# Altium PCB INC-MBTMC429-01.PcbDoc (part 2 of 2)
Units mil, origin at the board's own origin, x right, y up, seen from the top; angles counter-clockwise.
Board outline 6000 x 4000 mil, 2 copper layers (Top Layer, Bottom Layer); 198 components, 197 nets, 672 pads, 128 vias.
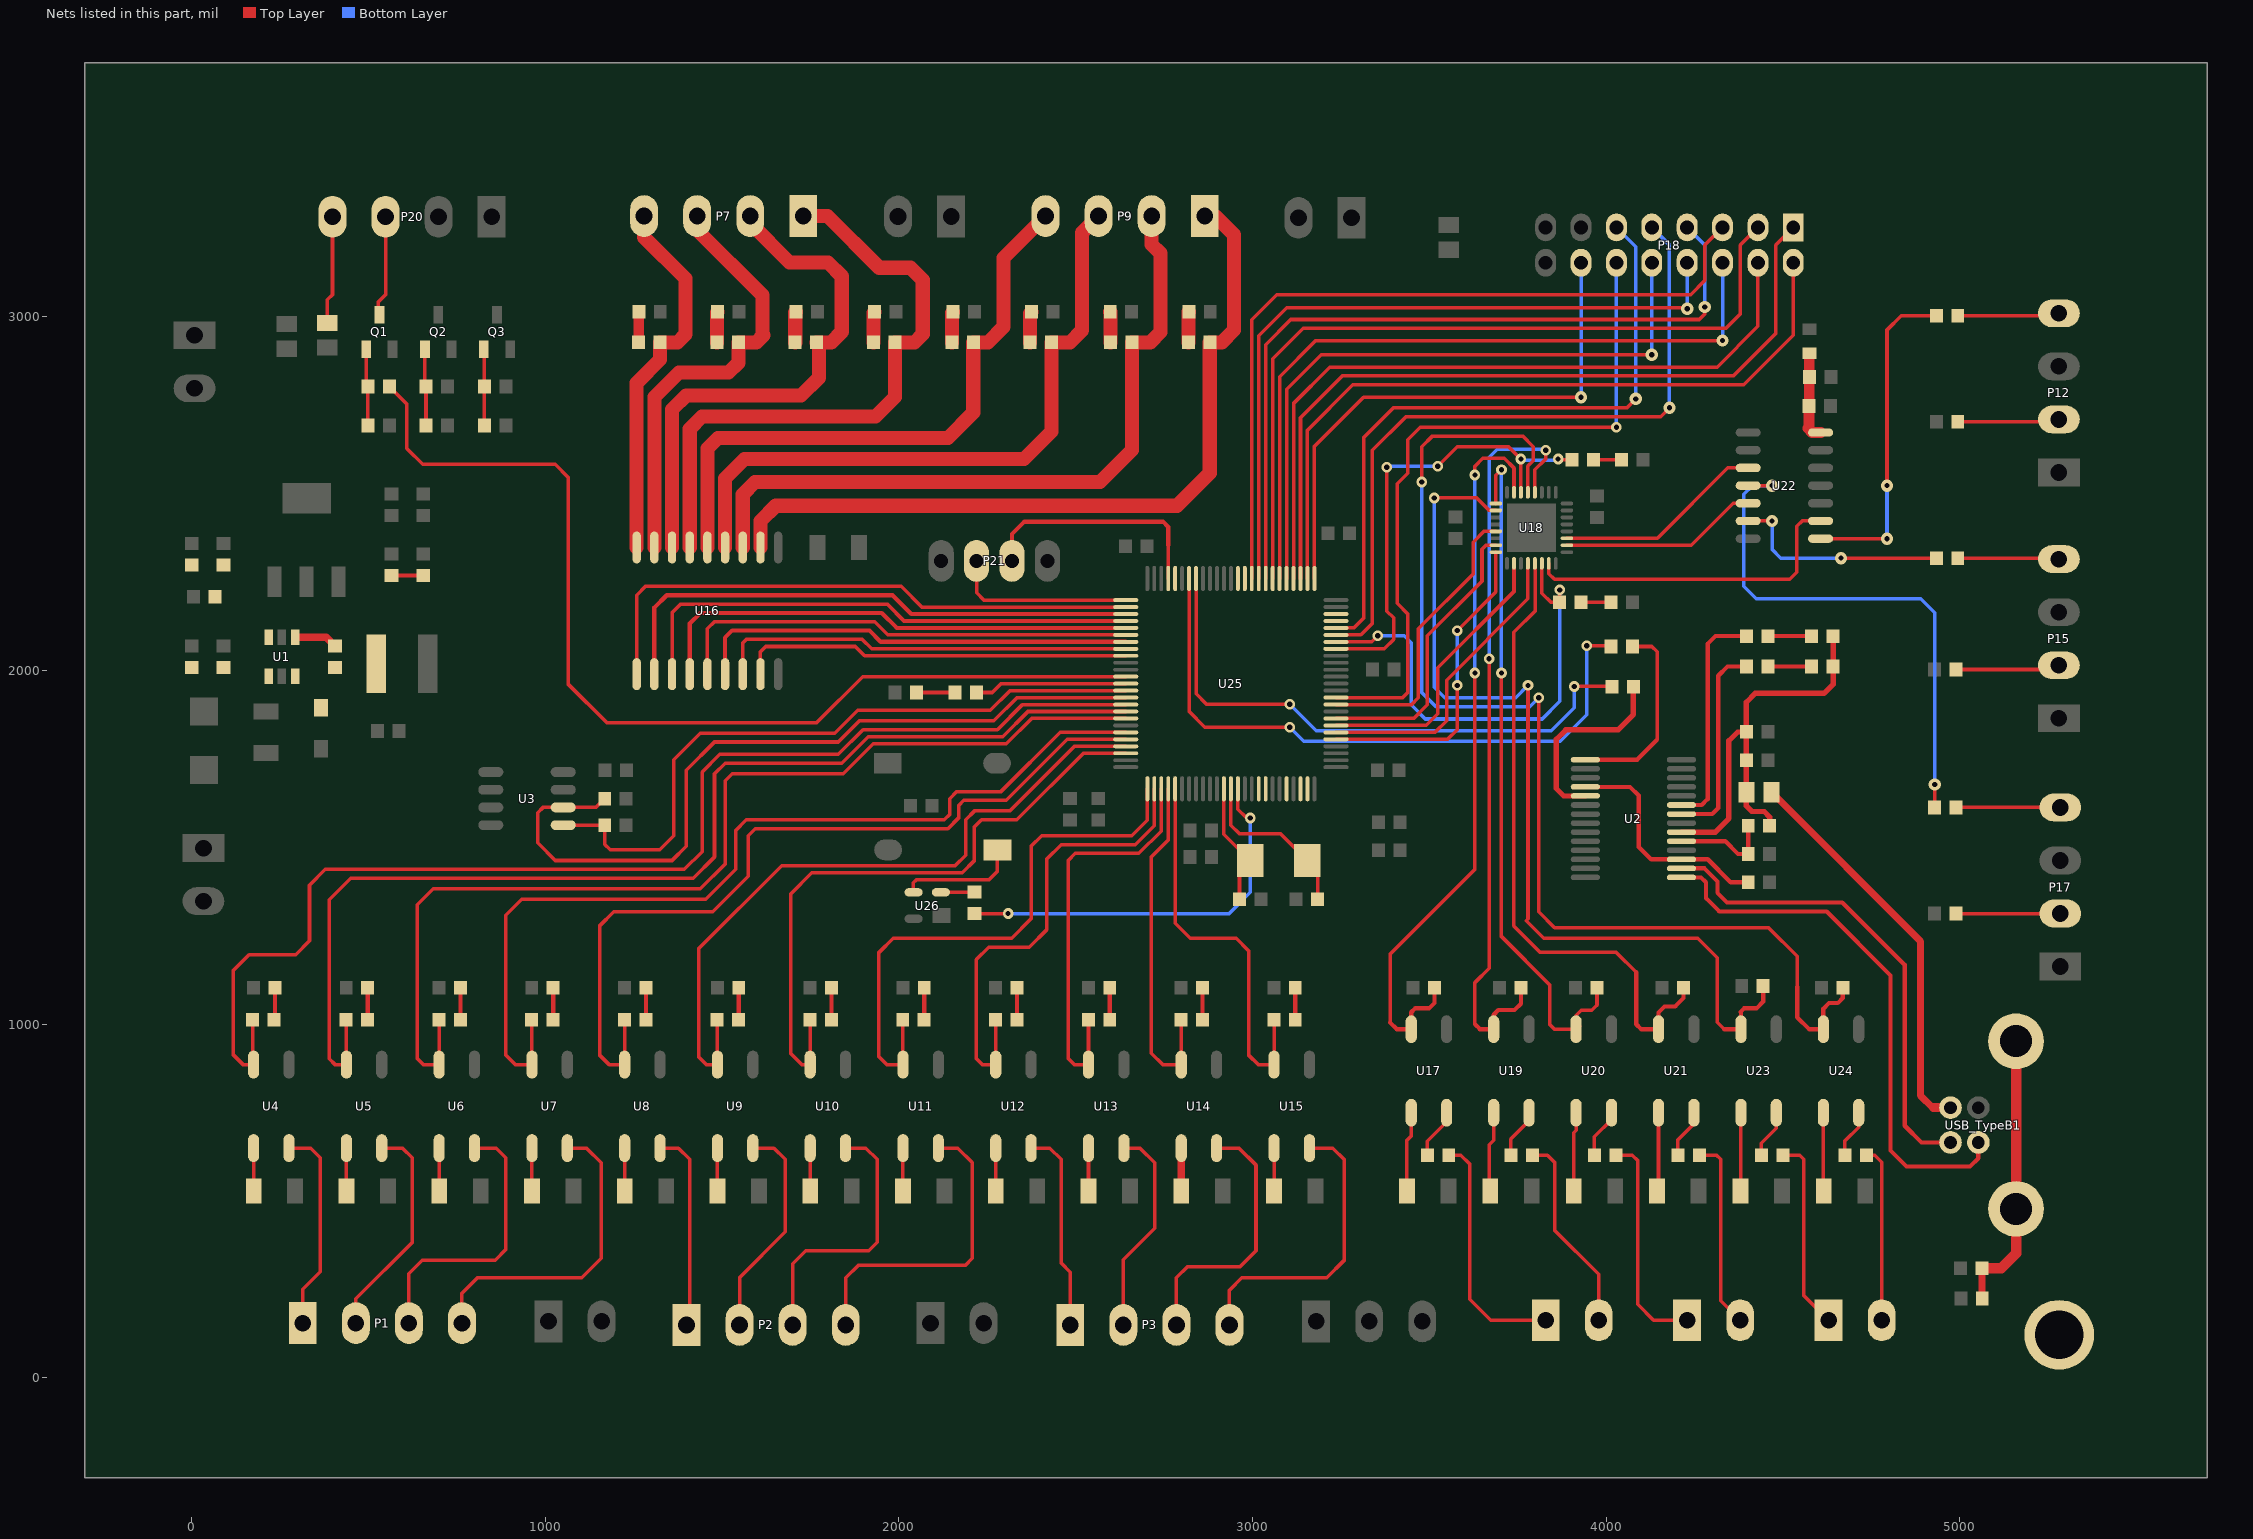
[diagram p2: the nets of this part, all layers, seen from the top]

## Via types
v1: diameter 30, hole 15, Top Layer to Bottom Layer, tented both sides, 91 vias
v2: diameter 35, hole 15, Top Layer to Bottom Layer, tented both sides, 17 vias
v3: diameter 50, hole 28, Top Layer to Bottom Layer, tented both sides, 16 vias
v4: diameter 47.24, hole 28, Top Layer to Bottom Layer, tented both sides, 2 vias
v5: diameter 30, hole 15, Top Layer to Bottom Layer, 1 vias
v6: diameter 50, hole 28, Top Layer to Bottom Layer, 1 vias

## Nets (pads, with @x,y where several pads share a name; then routed paths per layer and width w, separated by ;. In a path a pad name is that pad's centre, name@x,y a point inside that pad or via, vN(x,y) a via of type N, cw(c..) or ccw(c..) an arc to the next point about the centre after c; other vN are vias at no path point) (continued)
IIC_SCL: R12.1 U3.6 U25.90 | length 2291.5
  Top Layer w10: R12.1@1168.69,1638 1143.69,1613 U3.6@1051.36,1613 994,1613 979,1598 979,1513 1029,1463 1359,1463 1399,1503 1399,1718 1479,1798 1829,1798 1889,1858 2269,1858 2334.63,1923.63 U25.90@2641.76,1923.63
IIC_SDA: R13.1 U3.5 U25.89 | length 1963.9
  Top Layer w10: U3.5@1051.36,1563 R13.1@1168.69,1563 1168.69,1508.31 1184,1493 1324,1493 1364,1533 1364,1748 1439,1823 1819,1823 1884,1888 2259,1888 2314.32,1943.32 U25.89@2641.76,1943.32
IN1: D5.K U4.4 U25.91 | length 3493.7
  Top Layer w10: D5.K@173.37,1013 173.37,888.74 U4.4@176,886.11 145.89,886.11 119,913 119,1153 163,1197 295,1197 334,1236 334,1393 379,1438 1394,1438 1444,1488 1444,1713 1494,1763 1829,1763 1899,1833 2279,1833 2349.94,1903.94 U25.91@2641.76,1903.94
IN2: D7.K U5.4 U25.92 | length 3241.9
  Top Layer w10: D7.K@437.64,1013 438.27,1012.37 U5.4@438.27,886.11 405.89,886.11 390,902 390,1352 451,1413 1419,1413 1479,1473 1479,1708 1509,1738 1839,1738 1914,1813 2294,1813 2365.26,1884.26 U25.92@2641.76,1884.26
IN3: D8.K U6.4 U25.93 | length 2989.2
  Top Layer w10: D8.K@699.92,1013 700.55,1012.37 U6.4@700.55,886.11 655.89,886.11 639,903 639,1338 684,1383 1439,1383 1509,1453 1509,1688 1529,1708 1842.72,1708 1927.72,1793 2304,1793 2375.57,1864.57 U25.93@2641.76,1864.57
IN4: D9.K U7.4 U25.95 | length 2664.9
  Top Layer w10: D9.K@962.19,1013 962.82,1012.37 U7.4@962.82,886.11 915.89,886.11 889,913 889,1308 934,1353 1454,1353 1539,1438 1539,1548 1569,1578 2129,1578 2144,1593 2144,1638 2164,1658 2289,1658 2456.2,1825.2 U25.95@2641.76,1825.2
IN5: D10.K U8.4 U25.96 | length 2368.5
  Top Layer w10: D10.K@1224.46,1013 1225.09,1012.37 U8.4@1225.09,886.11 1180.89,886.11 1154,913 1154,1278 1194,1318 1474,1318 1574,1418 1574,1533 1594,1553 2139,1553 2169,1583 2169,1618 2184,1633 2304,1633 2476.52,1805.52 U25.96@2641.76,1805.52
IN6: D11.K U9.4 U25.97 | length 1998.2
  Top Layer w10: D11.K@1486.73,1013 1487.36,1012.37 U9.4@1487.36,886.11 1455.89,886.11 1434,908 1434,1213 1669,1448 2159,1448 2189,1478 2189,1578 2214,1603 2314,1603 2496.83,1785.83 U25.97@2641.76,1785.83
IN7: D12.K U10.4 U25.98 | length 1814.3
  Top Layer w10: D12.K@1749.01,1013 1749.64,1012.37 U10.4@1749.64,886.11 1725.89,886.11 1694,918 1694,1368 1754,1428 2179,1428 2214,1463 2214,1558 2234,1578 2334,1578 2522.15,1766.15 U25.98@2641.76,1766.15
IN8: D13.K U11.4 U25.1 | length 1621.8
  Top Layer w10: D13.K@2011.28,1013 2011.91,1012.37 U11.4@2011.91,886.11 1965.89,886.11 1944,908 1944,1203 1984,1243 2319,1243 2374,1298 2374,1503 2404,1533 2659,1533 2702.78,1576.78 U25.1@2702.78,1665.76
IN9: D14.K U12.4 U25.2 | length 1351
  Top Layer w10: D14.K@2273.55,1013 2274.18,1012.37 U12.4@2274.18,886.11 2235.89,886.11 2219,903 2219,1183 2254,1218 2369,1218 2419,1268 2419,1468 2459,1508 2669,1508 2722.46,1561.46 U25.2@2722.46,1665.76
IN10: D15.K U13.4 U25.3 | length 1168.8
  Top Layer w10: D15.K@2535.82,1013 2536.45,1012.37 U13.4@2536.45,886.11 2495.89,886.11 2479,903 2479,1463 2499,1483 2679,1483 2742.15,1546.15 U25.3@2742.15,1665.76
IN11: D16.K U14.4 U25.4 | length 992.7
  Top Layer w10: U25.4@2761.83,1665.76 2761.83,1520.83 2714,1473 2714,918 2745.89,886.11 U14.4@2798.73,886.11 2798.73,1012.37 D16.K@2798.1,1013
IN12: D17.K U15.4 U25.5 | length 1125.1
  Top Layer w10: U25.5@2781.52,1665.76 2781.52,1285.48 2824,1243 2954,1243 2989,1208 2989,913 3015.89,886.11 U15.4@3061,886.11 3061,1012.37 D17.K@3060.37,1013
INPUT1: P1.1 U4.2 | length 592.4
  Top Layer w10: U4.2@276,649.89 337.11,649.89 364,623 364,300 315,251 P1.1@315,155 P1.1@315,150
INPUT2: P1.2 U5.2 | length 635.7
  Top Layer w10: P1.2@465,150 P1.2@465,155 465,224 624,383 624,623 597.11,649.89 U5.2@538.27,649.89
INPUT3: P1.3 U6.2 | length 806.8
  Top Layer w10: P1.3@615,150 P1.3@615,155 615,295 653,333 859,333 889,363 889,623 862.11,649.89 U6.2@800.55,649.89
INPUT4: P1.4 U7.2 | length 907.5
  Top Layer w10: P1.4@765,150 P1.4@765,155 765,239 809,283 1104,283 1159,338 1159,608 1117.11,649.89 U7.2@1062.82,649.89
INPUT5: P2.1 U8.2 | length 568.8
  Top Layer w10: U8.2@1325.09,649.89 1377.11,649.89 1409,618 1409,159 P2.1@1400,150
INPUT6: P2.2 U9.2 | length 626.3
  Top Layer w10: P2.2@1550,150 1550,284 1679,413 1679,618 1647.11,649.89 U9.2@1587.36,649.89
INPUT7: P2.3 U10.2 | length 773.8
  Top Layer w10: P2.3@1700,150 1700,323 1737,360 1915,360 1939,384 1939,618 1907.11,649.89 U10.2@1849.64,649.89
INPUT8: P2.4 U11.2 | length 897.8
  Top Layer w10: P2.4@1850,150 1850,283 1885,318 2188,318 2208,338 2208,609 2167.11,649.89 U11.2@2111.91,649.89
INPUT9: P3.1 U12.2 | length 576.8
  Top Layer w10: U12.2@2374.18,649.89 2427.11,649.89 2459,618 2459,325 2485,299 P3.1@2485,150
INPUT10: P3.2 U13.2 | length 599.8
  Top Layer w10: P3.2@2635,150 2635,334 2724,423 2724,608 2682.11,649.89 U13.2@2636.45,649.89
INPUT11: P3.3 U14.2 | length 763
  Top Layer w10: P3.3@2785,150 2785,283 2817,315 2965,315 3010,360 3010,602 2962.11,649.89 U14.2@2898.73,649.89
INPUT12: P3.4 U15.2 | length 854
  Top Layer w10: P3.4@2935,150 2935,248 2970,283 3210,283 3259,332 3259,618 3227.11,649.89 U15.2@3161,649.89
INTOUT1: D33.K U18.14 U25.44 | length 1355.9
  Top Layer w10: U25.44@3236.24,2081.11 3337.11,2081.11 v1(3354,2098) ; U18.14@3818.13,2303.08 3818.13,2218.87 3844,2193 D33.K@3868.69,2193 3868.69,2227.69 v1(3869,2228)
  Bottom Layer w10: v1(3354,2098) 3429,2098 3449,2078 3449,1903 3489,1863 3819,1863 3869,1913 v1(3869,2228)
INTOUT2: P18.9 U25.45 | length 2026.5
  Top Layer w10: U25.45@3236.24,2100.8 3306.8,2100.8 3339,2133 3339,2623 3434,2718 4154,2718 v2(4179,2743)
  Bottom Layer w10: P18.9@4129,3253 4179,3203 v2(4179,2743)
LED1: R72.2 U25.88 | length 432.8
  Top Layer w10: R72.2@2219.32,1938 2264,1938 2289,1963 U25.88@2641.76,1963
MCU_RX: R11.1 U25.69 | length 1830.7
  Top Layer w10: U25.69@2820.89,2260.24 2820.89,1884.11 2865,1840 v1(3105,1840) ; v1(3945,2070) 4011.69,2070 R11.1@4013.69,2068
  Bottom Layer w10: v1(3105,1840) 3145,1800 3870,1800 3945,1875 v1(3945,2070)
MCU_TX: R9.1 U25.68 | length 1637.4
  Top Layer w10: U25.68@2840.57,2260.24 2840.57,1934.43 2870,1905 v1(3105,1905) ; v1(3910,1955) 4002.87,1955 4009.87,1948 R9.1@4016.37,1954.5
  Bottom Layer w10: v1(3105,1905) 3180,1830 3845,1830 3910,1895 v1(3910,1955)
NetC2_2: C2.2 R3.2 R4.1 U1.3
NetC3_1: C3.1 U1.1 | length 122.7
  Top Layer w20: U1.1@293.4,2094.12 381.51,2094.12 C3.1@406,2069.63
NetC3_2: C3.2 D2.2 L1.1 U1.6
NetC7_1: C7.1 pad.0 R6.1 USB_TypeB1.5 USB_TypeB1.6 | length 805.3
  Top Layer w20: C7.1@5062.63,310.53 5062.63,219.15 R6.1@5063.31,218.47
  Top Layer w30: C7.1@5062.63,310.53 5116.53,310.53 5159,353 USB_TypeB1.6@5159,478 USB_TypeB1.5@5159,952.02
NetC8_2: C8.2 C9.2 D4.A D6.A FB1.1 R10.2 U2.20 | length 1229.2
  Top Layer w15: U2.20@4212.83,1543.11 4308.61,1543.11 4347,1581.5 4347,1801.5 4372,1826.5 C8.2@4396.37,1826.5 ; R10.2@4462.32,1561.5 4462.31,1586.19 4447,1601.5 4412,1601.5 4396.37,1617.13 C9.2@4396.37,1746.5 C8.2@4396.37,1826.5 ; D4.A@4641.63,2097.5 D6.A@4641.63,2011.5 4641.63,1961.13 4616,1935.5 4421.37,1935.5 4396.37,1910.5 C8.2@4396.37,1826.5
NetC11_1: C11.1 R10.1 U2.19 | length 283.8
  Top Layer w12: U2.19@4212.83,1517.52 4337,1517.52 4373.02,1481.5 C11.1@4401.69,1481.5 R10.1@4401.69,1561.5
NetC16_1: C16.1 R77.2 SB1.1 U22.14 | length 255.9
  Top Layer w30: SB1.1@4575,2897.5 4574.68,2897.18 R77.2@4574.68,2830 4574.68,2749.31 C16.1@4573.37,2748 4573.37,2688.37 4570,2685 4582,2673 U22.14@4606.36,2673
NetD3_A: D3.A R5.2 | length 90.1
  Top Layer w12: R5.2@566,2268.68 655.68,2268.68 D3.A@656,2269
NetD4_K: D4.K R7.1 | length 124
  Top Layer w12: R7.1@4457,2097.5 D4.K@4581,2097.5
NetD5_A: D5.A R14.2 | length 91
  Top Layer w12: D5.A@234,1013 236.32,1015.32 R14.2@236.32,1103
NetD6_K: D6.K R8.2 | length 124
  Top Layer w12: R8.2@4457,2011.5 D6.K@4581,2011.5
NetD7_A: D7.A R15.2 | length 90.1
  Top Layer w12: D7.A@498.27,1013 498.56,1013.29 R15.2@498.56,1103
NetD8_A: D8.A R16.2 | length 90.1
  Top Layer w12: D8.A@760.55,1013 760.8,1013.26 R16.2@760.8,1103
NetD9_A: D9.A R17.2 | length 90.1
  Top Layer w12: D9.A@1022.82,1013 1023.05,1013.23 R17.2@1023.05,1103
NetD10_A: D10.A R18.2 | length 90.1
  Top Layer w12: D10.A@1285.09,1013 1285.29,1013.2 R18.2@1285.29,1103
NetD11_A: D11.A R19.2 | length 90.1
  Top Layer w12: D11.A@1547.36,1013 1547.54,1013.17 R19.2@1547.54,1103
NetD12_A: D12.A R20.2 | length 90.1
  Top Layer w12: D12.A@1809.64,1013 1809.78,1013.14 R20.2@1809.78,1103
NetD13_A: D13.A R21.2 | length 90
  Top Layer w12: D13.A@2071.91,1013 2072.02,1013.11 R21.2@2072.02,1103
NetD14_A: D14.A R22.2 | length 90
  Top Layer w12: D14.A@2334.18,1013 2334.27,1013.09 R22.2@2334.27,1103
NetD15_A: D15.A R23.2 | length 90
  Top Layer w12: D15.A@2596.45,1013 2596.51,1013.06 R23.2@2596.51,1103
NetD16_A: D16.A R24.2 | length 90
  Top Layer w12: D16.A@2858.76,1013.03 R24.2@2858.76,1103
NetD17_A: D17.A R25.2 | length 90
  Top Layer w12: D17.A@3121,1013 R25.2@3121,1103
NetD18_A: D18.A R38.1 | length 86.3
  Top Layer w30: D18.A@1264.37,2928 1264.37,3013.37 R38.1@1265,3014
NetD19_A: D19.A R39.1 | length 86.6
  Top Layer w40: D19.A@1485.8,2928 1485.8,3012.66 R39.1@1487.14,3014
NetD20_A: D20.A R40.1 | length 86.9
  Top Layer w40: D20.A@1707.23,2928 1707.23,3011.94 R40.1@1709.29,3014
NetD21_A: D21.A R41.1 | length 87.1
  Top Layer w40: D21.A@1928.66,2928 1928.66,3011.23 R41.1@1931.43,3014
NetD22_A: D22.A R42.1 | length 87.4
  Top Layer w40: D22.A@2150.08,2928 2150.08,3010.51 R42.1@2153.57,3014
NetD23_A: D23.A R43.1 | length 87.7
  Top Layer w40: D23.A@2371.51,2928 2371.51,3009.8 R43.1@2375.71,3014
NetD24_A: D24.A R44.1 | length 86.3
  Top Layer w40: R44.1@2597.86,3014 2598.68,3013.17 D24.A@2598.68,2928
NetD25_A: D25.A R45.1 | length 86.5
  Top Layer w40: D25.A@2818.68,2928 2818.68,3012.69 R45.1@2820,3014
NetD26_A: D26.A U17.2 | length 142.5
  Top Layer w10: D26.A@3494.37,630 3494.37,669.37 3549,724 U17.2@3549,749.89
NetD27_A: D27.A U19.2 | length 141.2
  Top Layer w10: D27.A@3730.5,630 3730.5,675.5 3782,727 U19.2@3782,749.89
NetD28_A: D28.A U20.2 | length 139.9
  Top Layer w10: D28.A@3966.62,630 3966.62,681.62 4015,730 U20.2@4015,749.89
NetD29_A: D29.A U21.2 | length 138.6
  Top Layer w10: D29.A@4202.75,630 4202.75,672.75 4248,718 U21.2@4248,749.89
NetD30_A: D30.A U23.2 | length 137.3
  Top Layer w10: D30.A@4438.87,630 4438.87,663.87 4481,706 U23.2@4481,749.89
NetD31_A: D31.A U24.2 | length 136
  Top Layer w10: D31.A@4675,630 4675,670 4714,709 U24.2@4714,749.89
NetD32_A: D32.A R58.1 | length 78.4
  Top Layer w10: R58.1@3964.63,2596 D32.A@4043,2596
NetD33_A: D33.A R63.1 | length 84.7
  Top Layer w10: D33.A@3929.32,2193 R63.1@4014,2193
NetD34_K: D34.K R72.1 | length 109.1
  Top Layer w10: D34.K@2049.63,1938 R72.1@2158.69,1938
NetP12_2: P12.2 R60.2 | length 292.1
  Top Layer w10: R60.2@4994,2703 5279,2703 P12.2@5284,2708
NetP12_4: P12.4 R59.2 | length 292.1
  Top Layer w10: R59.2@4994,3003 5279,3003 P12.4@5284,3008
NetP15_2: P15.2 R62.2 | length 297.8
  Top Layer w10: R62.2@4989.32,2003 5276.5,2003 P15.2@5284,2010.5
NetP15_4: P15.4 R61.2 | length 293.1
  Top Layer w10: R61.2@4994,2318 5276.5,2318 P15.4@5284,2310.5
NetP17_2: P17.2 R65.2 | length 294.7
  Top Layer w10: R65.2@4989.32,1313 P17.2@5284,1313
NetP17_4: P17.4 R64.2 | length 294.7
  Top Layer w10: R64.2@4989.32,1613 P17.4@5284,1613
NetP20_4: P20.4 R68.2 | length 306.1
  Top Layer w10: R68.2@384,2983.08 384,3048 399,3063 P20.4@399,3283
NetQ1_1: Q1.1 R67.1 R73.2 | length 217
  Top Layer w10: Q1.1@494.2,2908 494.2,2807.8 R67.1@499,2803 R73.2@499,2693
NetQ2_1: Q2.1 R69.1 R74.2 | length 216.6
  Top Layer w10: Q2.1@660.4,2908 660.4,2806.44 R69.1@663.84,2803 663.37,2802.53 R74.2@663.37,2693
NetQ3_1: Q3.1 R70.1 R75.2 | length 216
  Top Layer w10: Q3.1@826.6,2908 828.68,2905.91 R70.1@828.68,2803 828.37,2802.68 R75.2@828.37,2693
NetR1_1: R1.1 R2.1 U1.4
NetR7_2: R7.2 U2.23 | length 638.5
  Top Layer w12: U2.23@4212.83,1619.89 4270.39,1619.89 4287,1636.5 4287,2075.5 4309,2097.5 R7.2@4396.37,2097.5
NetR8_1: R8.1 U2.22 | length 575.4
  Top Layer w12: U2.22@4212.83,1594.3 4299.8,1594.3 4317,1611.5 4317,1985.5 4343,2011.5 R8.1@4396.37,2011.5
NetR9_2: R9.2 U2.5 | length 555.9
  Top Layer w15: U2.5@3941.17,1645.48 3880.02,1645.48 3859,1666.5 3859,1805.5 3886,1832.5 4034,1832.5 4077,1875.5 R9.2@4077,1954.5
NetR11_2: R11.2 U2.1 | length 550.9
  Top Layer w10: R11.2@4074.32,2068 4129,2068 4144,2053 4144,1804.18
  Top Layer w12: U2.1@3941.17,1747.84 4087.66,1747.84 4144,1804.18
NetR26_2: R26.2 U4.1 | length 121.9
  Top Layer w10: R26.2@176,528 U4.1@176,649.89
NetR27_2: R27.2 U5.1 | length 121.9
  Top Layer w10: R27.2@438.27,528 U5.1@438.27,649.89
NetR28_2: R28.2 U6.1 | length 121.9
  Top Layer w10: R28.2@700.55,528 U6.1@700.55,649.89
NetR29_2: R29.2 U7.1 | length 121.9
  Top Layer w10: R29.2@962.82,528 U7.1@962.82,649.89
NetR30_2: R30.2 U8.1 | length 121.9
  Top Layer w10: R30.2@1225.09,528 U8.1@1225.09,649.89
NetR31_2: R31.2 U9.1 | length 121.9
  Top Layer w10: R31.2@1487.36,528 U9.1@1487.36,649.89
NetR32_2: R32.2 U10.1 | length 121.9
  Top Layer w10: R32.2@1749.64,528 U10.1@1749.64,649.89
NetR33_2: R33.2 U11.1 | length 121.9
  Top Layer w10: R33.2@2011.91,528 U11.1@2011.91,649.89
NetR34_2: R34.2 U12.1 | length 121.9
  Top Layer w10: R34.2@2274.18,528 U12.1@2274.18,649.89
NetR35_2: R35.2 U13.1 | length 121.9
  Top Layer w10: R35.2@2536.45,528 U13.1@2536.45,649.89
NetR36_2: R36.2 U14.1 | length 121.9
  Top Layer w20: R36.2@2798.73,528 U14.1@2798.73,649.89
NetR37_2: R37.2 U15.1 | length 121.9
  Top Layer w10: R37.2@3061,528 U15.1@3061,649.89
NetR46_2: R46.2 U17.1 | length 279.3
  Top Layer w10: R46.2@3449,505.28 3449,540.28 R46.2@3436.72,528 3436.72,671.72 3449,684 U17.1@3449,749.89
NetR47_2: R47.2 U19.1 | length 228.7
  Top Layer w10: R47.2@3672.45,528 3669,531.45 3669,659 3682,672 U19.1@3682,749.89
NetR48_2: R48.2 U20.1 | length 269.4
  Top Layer w10: R48.2@3915,499.83 3915,534.83 R48.2@3908.17,528 3908.17,693.17 3915,700 U20.1@3915,749.89
NetR49_2: R49.2 U21.1 | length 217.8
  Top Layer w10: R49.2@4148,532.11 U21.1@4148,749.89
NetR50_2: R50.2 U23.1 | length 222.5
  Top Layer w10: R50.2@4379.62,528 4381,529.38 U23.1@4381,749.89
NetR51_2: R51.2 U24.1 | length 222.4
  Top Layer w10: U24.1@4614,749.89 4614,529.34 R51.2@4615.34,528
NetR66_2: R66.2 U26.2 | length 95.1
  Top Layer w10: U26.2@2119,1373 2213.68,1373 R66.2@2214,1373.32
NetS1_1: S1.1 U26.3 | length 339
  Top Layer w10: U26.3@2041.83,1373 2041,1373.83 2041,1400 2049,1408 2254,1408 2279,1433 S1.1@2279,1493
OSC_IN: C22.2 U25.12 Y1.2 | length 356.4
  Top Layer w10: U25.12@2919.31,1665.76 2919.31,1537.68 Y1.2@2994,1463 2963.37,1432.37 C22.2@2963.37,1353
OSC_OUT: C23.2 U25.13 Y1.1 | length 482.4
  Top Layer w10: U25.13@2939,1665.76 2939,1563 2964,1538 3080.42,1538 Y1.1@3155.42,1463 3184,1434.42 C23.2@3184,1353
OUT1: U16.1 U25.77 | length 1640.6
  Top Layer w10: U16.1@1259,1989.73 1259,2213 1284,2238 2007,2238 2065.46,2179.54 U25.77@2641.76,2179.54
OUT2: U16.2 U25.78 | length 1557.5
  Top Layer w12: U16.2@1309,1989.73 1309,2178 1344,2213 1982,2213 2035.15,2159.85 U25.78@2641.76,2159.85
OUT3: U16.3 U25.79 | length 1486.2
  Top Layer w10: U16.3@1359,1989.73 1359,2163 1384,2188 1967,2188 2014.83,2140.17 U25.79@2641.76,2140.17
OUT4: U16.4 U25.80 | length 1406.1
  Top Layer w12: U16.4@1409,1989.73 1409,2133 1439,2163 1952,2163 1994.52,2120.48 U25.80@2641.76,2120.48
OUT5: U16.5 U25.81 | length 1334.7
  Top Layer w10: U16.5@1459,1989.73 1459,2118 1479,2138 1932,2138 1969.2,2100.8 U25.81@2641.76,2100.8
OUT6: U16.6 U25.82 | length 1257.5
  Top Layer w12: U16.6@1509,1989.73 1509,2093 1529,2113 1917,2113 1948.89,2081.11 U25.82@2641.76,2081.11
OUT7: U16.7 U25.83 | length 1186.2
  Top Layer w10: U16.7@1559,1989.73 1559,2078 1569,2088 1897,2088 1923.57,2061.43 U25.83@2641.76,2061.43
OUT8: U16.8 U25.84 | length 1113.1
  Top Layer w10: U16.8@1609,1989.73 1609,2053 1624,2068 1877,2068 1903.26,2041.74 U25.84@2641.76,2041.74
OUTPUT1: D18.K P7.4 U16.18 | length 1071.3
  Top Layer w40: U16.18@1259,2348 1259,2813 1325,2879 D18.K@1325,2928 1374,2928 1397,2951 1397,3108 1280,3225 P7.4@1280,3285
OUTPUT2: D19.K P7.3 U16.17 | length 1253.7
  Top Layer w40: U16.17@1309,2348 1309,2773 1379,2843 1519,2843 1546.43,2870.43 D19.K@1546.43,2928 1597,2928 1617,2948 1615,2950 1615,3061 1430,3246 P7.3@1430,3285
OUTPUT3: D20.K P7.2 U16.16 | length 1526.5
  Top Layer w40: U16.16@1359,2348 1359,2548 1359,2738 1399,2778 1724,2778 1774,2828 1774,2921.86 D20.K@1767.86,2928 1809,2928 1839,2958 1839,3115 1800,3154 1691,3154 1580,3265 P7.2@1580,3285
OUTPUT4: D21.K P7.1 U16.15 | length 1761
  Top Layer w40: U16.15@1409,2348 1409,2618 1409,2683 1444,2718 1934,2718 1989.29,2773.29 D21.K@1989.29,2928 2044,2928 2068,2952 2068,3104 2033,3139 1945,3139 1799,3285 P7.1@1730,3285
OUTPUT5: D22.K P9.4 U16.14 | length 1737.9
  Top Layer w40: U16.14@1459,2348 1459,2628 1489,2658 2139,2658 2210.71,2729.71 D22.K@2210.71,2928 2252,2928 2296,2972 2296,3166 P9.4@2415,3285
OUTPUT6: D23.K P9.3 U16.13 | length 1867.6
  Top Layer w40: U16.13@1509,2348 1509,2543 1564,2598 2354,2598 2432.14,2676.14 D23.K@2432.14,2928 2484,2928 2518,2962 2518,3238 P9.3@2565,3285
OUTPUT7: D24.K P9.2 U16.12 | length 2038
  Top Layer w40: U16.12@1559,2348 1559,2498 1594,2533 2569,2533 2659.31,2623.31 D24.K@2659.31,2928 2711,2928 2740,2957 2740,3180 2715,3205 P9.2@2715,3285
OUTPUT8: D25.K P9.1 U16.11 | length 2196.8
  Top Layer w40: U16.11@1609,2348 1609,2423 1652,2466 2787,2466 2879.31,2558.31 D25.K@2879.31,2928 2913,2928 2948,2963 2948,3232 P9.1@2896,3284
PA0: U25.23
PA1: U25.24
PA12: U25.71
PB10: U25.47
PB11: U25.48
PC2: U25.17
PC3: U25.18
POSCMP1: R58.2 U18.30 U25.43 | length 1331.5
  Top Layer w10: U25.43@3236.24,2061.43 3372.43,2061.43 3399,2088 3399,2149 3380,2168 v1(3380,2575) ; v1(3524,2578) 3579,2633 3724,2633 v1(3759,2598) 3754,2593 3759.08,2587.92 U18.30@3759.08,2503.87 ; v1(3864,2598) 3866,2596 R58.2@3904,2596
  Bottom Layer w10: v1(3380,2575) 3383,2578 v1(3524,2578) ; v1(3759,2598) 3762,2595 v1@3864,2595
POSCMP2: P18.11 U25.46 | length 1927.5
  Top Layer w10: U25.46@3236.24,2120.48 3286.48,2120.48 3314,2148 3314,2658 3398.5,2742.5 4058.5,2742.5 v2(4084,2768)
  Bottom Layer w10: P18.11@4029,3253 4084,3198 v2(4084,2768) v2@4084,2763
PUL1+: R59.1 U22.8 | length 933.6
  Top Layer w10: U22.8@4606.36,2373 v2(4794,2373) ; v2(4794,2523) 4794,2963 4834,3003 R59.1@4933.37,3003
  Bottom Layer w10: v2(4794,2373) v2(4794,2523)
PUL2+: R61.1 U22.6 | length 622.1
  Top Layer w10: U22.6@4401.64,2423 4404,2423 v2(4469,2423) ; v2(4664,2318) R61.1@4933.37,2318
  Bottom Layer w10: v2(4469,2423) 4469,2343 4494,2318 v2(4664,2318)
PUL3+: R64.1 U22.4 | length 1538.9
  Top Layer w10: U22.4@4401.64,2523 v2(4469,2523) ; R64.1@4928.69,1613 4929,1613.31 v2(4929,1678)
  Bottom Layer w10: v2(4469,2523) 4414,2523 4389,2498 4389,2238 4424,2203 4889,2203 4929,2163 v2(4929,1678)
RED: R67.2 U25.87 | length 2945.6
  Top Layer w10: R67.2@559.63,2803 609,2753.63 609,2628 654,2583 1029,2583 1065,2547 1065,1962 1174,1853 1768,1853 1897.68,1982.68 U25.87@2641.76,1982.68
Red_LED: P20.3 Q1.3 | length 285.9
  Top Layer w10: Q1.3@531.6,3006.43 529,3009.02 529,3043 549,3063 P20.3@549,3283
REF1: R52.2 U17.4 U18.31 | length 2106.8
  Top Layer w10: 3389,1005 3389,1198 3629,1438 v1(3629,1993) ; v1(3629,2553) 3629,2578 3651,2600 3712,2600 3739.39,2572.61 U18.31@3739.39,2503.87
  Top Layer w12: 3389,1005 3407.89,986.11 U17.4@3449,986.11 3449,1034 3460,1045 3499.32,1045 3514.32,1060 R52.2@3514.32,1103
  Bottom Layer w10: v1(3629,1993) v1(3629,2553)
REF2: R54.2 U18.1 U20.4 | length 1980
  Top Layer w10: U18.1@3688.21,2472.37 3688.21,2552.21 v1(3704,2568) ; v1(3704,1993) 3704,1248 3840,1112 3840,1000 3853.89,986.11 U20.4@3915,986.11 3915,1025 3930,1040 3959.32,1040 3974.32,1055 ; U20.4@3915,985 U20.4@3925,995
  Top Layer w12: 3974.32,1055 R54.2@3974.32,1103
  Bottom Layer w10: v1(3704,1993) v1(3704,2568)
REF3: R56.2 U18.2 U23.4 | length 2692.9
  Top Layer w10: v1(3514,2488) 3634,2488 3669.31,2452.68 U18.2@3688.21,2452.68 ; v1(3779,1958) 3779,1298 3774,1293 3824,1243 4259,1243 4314,1188 4314,1006 4333.89,986.11
  Top Layer w12: 4333.89,986.11 U23.4@4381,986.11 4381,1034 4380,1035 4390,1045 4425,1045 4444,1064 R56.2@4444,1108
  Bottom Layer w10: v1(3514,2488) 3514,1953 3544,1923 3744,1923 v1(3779,1958)
REF_L1: D26.K P11.1 | length 691.2
  Top Layer w10: D26.K@3555,630 3589,630 3614,605 3614,223 3674,163 P11.1@3829,163
REF_L2: D28.K P13.1 | length 633.6
  Top Layer w10: D28.K@4027.25,630 4074,630 4089,615 4089,208 4134,163 P13.1@4229,163
REF_L3: D30.K P14.1 | length 548.5
  Top Layer w10: D30.K@4499.5,630 4547,630 4559,618 4559,233 P14.1@4629,163
REF_R1: D27.K P11.2 | length 569.9
  Top Layer w10: D27.K@3791.13,630 3834,630 3854,610 3854,418 3979,293 P11.2@3979,163
REF_R2: D29.K P13.2 | length 543.4
  Top Layer w10: D29.K@4263.38,630 4312,630 4324,618 4324,218 P13.2@4379,163
REF_R3: D31.K P14.2 | length 498.7
  Top Layer w10: D31.K@4735.63,630 4759,630 4779,610 P14.2@4779,163
REFR1: R53.2 U18.28 U19.4 | length 2160.2
  Top Layer w10: 3629,1000 3629,1118 3669,1158 v1(3669,2033) ; U18.28@3798.45,2503.87 3798.45,2567.45 3829,2598 v1(3829,2623)
  Top Layer w12: 3629,1000 3642.89,986.11 U19.4@3682,986.11 3682,1027 3695,1040 3741,1040 3759,1058 R53.2@3759,1103 ; U19.4@3682,981 U19.4@3684.56,983.56
  Bottom Layer w10: v1(3669,2033) 3669,2603 3692,2626 3826,2626 v1(3829,2623)
REFR2: R55.2 U18.13 U21.4 | length 1830
  Top Layer w10: U18.13@3798.45,2303.08 3799,2302.53 3799,2168 3739,2108 3739,1278 3814,1203 4029,1203 4085,1147
  Top Layer w12: 4085,1147 4085,1000 4098.89,986.11 U21.4@4148,986.11 4148,1033 4165,1050 4195,1050 4219,1074 R55.2@4219,1103
REFR3: R57.2 U18.29 U24.4 | length 3345.3
  Top Layer w10: v1(3479,2533) 3479,2633 3509,2663 3764,2663 3794,2633 3794,2593.4 3778.76,2578.17 U18.29@3778.76,2503.87 ; v1(3809,1923) 3809,1318 3854,1273 4459,1273 4540,1192 4540,1105 ; U24.4@4614,984 U24.4@4625,995
  Top Layer w12: 4540,1105 4540,1020 4573.89,986.11 U24.4@4614,986.11 4614,1044 4630,1060 4655,1060 4669,1074 R57.2@4669,1103
  Bottom Layer w10: v1(3479,2533) 3479,1938 3519,1898 3784,1898 v1(3809,1923)
RST: R66.1 U25.14 | length 1118.2
  Top Layer w10: R66.1@2214,1312.69 2308.69,1312.69 v1(2309,1313) ; U25.14@2958.69,1665.76 2958.69,1608.32 2984,1583 v1(2994,1583)
  Bottom Layer w10: v1(2309,1313) 2934,1313 2994,1373 v1(2994,1583)
SPI1_CS: U18.7 U25.33 | length 821.8
  Top Layer w10: U25.33@3236.24,1864.57 3455.57,1864.57 3494,1903 3494,2098 3649,2253 3649,2343 3660.26,2354.26 U18.7@3688.21,2354.26
SPI1_MISO: U18.12 U25.31 | length 866.6
  Top Layer w10: U25.31@3236.24,1825.2 3516.2,1825.2 3549,1858 3549,1973 3778.76,2202.76 U18.12@3778.76,2303.08
SPI1_MOSI: U18.10 U25.32 | length 815.8
  Top Layer w10: U25.32@3236.24,1844.89 3490.89,1844.89 3524,1878 3524,2008 3739.39,2223.39 U18.10@3739.39,2303.08
SPI1_SCK: U18.8 U25.30 | length 901
  Top Layer w10: U25.30@3236.24,1805.52 3551.52,1805.52 3579,1833 v1(3579,1958) ; v1(3579,2113) 3688.21,2222.21 U18.8@3688.21,2334.57
  Bottom Layer w10: v1(3579,1958) v1(3579,2113)
SPI2_CS: P18.14 U25.51 | length 1577.7
  Top Layer w10: U25.51@3175.22,2260.24 3175.22,2634.22 3314,2773 v2(3929,2773)
  Bottom Layer w10: v2(3929,2773) 3929,3123 3944,3138 P18.14@3929,3153
SPI2_MISO: P18.1 U25.53 | length 2217.1
  Top Layer w10: U25.53@3135.85,2260.24 3135.85,2714.85 3254,2833 4359,2833 4479,2953 4479,3203 P18.1@4529,3253
SPI2_MOSI: P18.4 U25.54 | length 2078
  Top Layer w10: U25.54@3116.17,2260.24 3116.17,2755.17 3219,2858 4314,2858 4429,2973 P18.4@4429,3153
SPI2_SCK: P18.2 U25.52 | length 2109
  Top Layer w10: U25.52@3155.54,2260.24 3155.54,2679.54 3284,2808 4389,2808 4529,2948 P18.2@4529,3153
Step1: U18.15 U22.9 | length 948.6
  Top Layer w10: U18.15@3837.82,2303.08 3837.82,2274.18 3854,2258 4519,2258 4539,2278 4539,2408 4554,2423 U22.9@4606.36,2423
Step2: U18.18 U22.5 | length 561.8
  Top Layer w10: U18.18@3889,2354.26 4240.26,2354.26 4359,2473 U22.5@4401.64,2473
Step3: U18.19 U22.3 | length 595.1
  Top Layer w10: U18.19@3889,2373.94 4144.94,2373.94 4344,2573 U22.3@4401.64,2573
SWCLK: P21.2 U25.76 | length 520.4
  Top Layer w10: P21.2@2220,2310 2220,2220 2240.78,2199.22 U25.76@2641.76,2199.22
SWDIO: P21.3 U25.72 | length 684.4
  Top Layer w10: U25.72@2761.83,2260.24 2761.83,2355.17
  Top Layer w12: P21.3@2320,2310 2320,2386 2355,2421 2747,2421 2761.83,2406.17 2761.83,2355.17
TIM4_CH3: U25.61
TIM4_CH4: U25.62
TMC262_CS1: P18.10 U25.55 | length 1868.1
  Top Layer w10: U25.55@3096.48,2260.24 3096.48,2795.48 3194,2893 v2(4129,2893)
  Bottom Layer w10: v2(4129,2893) P18.10@4129,3153
TMC262_CS2: P18.6 U25.56 | length 2085.1
  Top Layer w10: U25.56@3076.8,2260.24 3076.8,2830.8 3179,2933 v2(4329,2933)
  Bottom Layer w10: v2(4329,2933) P18.6@4329,3153
TMC262_CS3: P18.3 U25.57 | length 2261
  Top Layer w10: U25.57@3057.11,2260.24 3057.11,2881.11 3144,2968 4339,2968 4379,3008 4379,3203 P18.3@4429,3253
TMC262_EN1: P18.7 U25.58 | length 2204.3
  Top Layer w10: U25.58@3037.43,2260.24 3037.43,2921.43 3108.5,2992.5 4263.5,2992.5 4279,3008 v2(4279,3028)
  Bottom Layer w10: P18.7@4229,3253 4279,3203 v2(4279,3028)
TMC262_EN2: P18.8 U25.59 | length 2061.4
  Top Layer w10: U25.59@3017.74,2260.24 3017.74,2946.74 3096.48,3025.48 4226.52,3025.48 v2(4229,3023)
  Bottom Layer w10: v2(4229,3023) P18.8@4229,3153
TMC262_EN3: P18.5 U25.60 | length 2229.4
  Top Layer w10: U25.60@2998.06,2260.24 2998.06,2992.06 3069,3063 4239,3063 4279,3103 4279,3203 P18.5@4329,3253
TMC429_CLK1: U18.5 U25.35 | length 821.8
  Top Layer w10: U25.35@3236.24,1903.94 3449.94,1903.94 3469,1923 3469,2118 3624,2273 3624,2363 3654.63,2393.63 U18.5@3688.21,2393.63
TMC429_CLK2: P18.12 U25.36 | length 2018.1
  Top Layer w10: U25.36@3236.24,1923.63 3424.63,1923.63 3439,1938 3439,2160 3409,2190 3409,2528 3439,2558 3439,2653 3474,2688 v1(4029,2688)
  Bottom Layer w10: v1(4029,2688) P18.12@4029,3153
USB_D+: U2.15 USB_TypeB1.3 | length 1548.4
  Top Layer w12: U2.15@4212.83,1415.16 4268.34,1415.16 4282,1401.5 4282,1356.5 4320,1318.5 4623.5,1318.5 4804,1138 4804,643 4849,598 5029,598 5052.31,621.31 USB_TypeB1.3@5052.31,665.8
USB_D-: U2.16 USB_TypeB1.2 | length 1367
  Top Layer w12: U2.16@4212.83,1440.75 4277.75,1440.75 4315,1403.5 4315,1371.5 4342,1344.5 4667.5,1344.5 4844,1168 4844,713 4891.2,665.8 USB_TypeB1.2@4973.57,665.8
USB_VBUS: FB1.2 USB_TypeB1.1 | length 1132.9
  Top Layer w20: FB1.2@4467.04,1656.5 4889,1234.54 4889,798 4924,763 4925.22,764.22
  Top Layer w25: 4925.22,764.22 USB_TypeB1.1@4973.57,764.22
VCCIO: C10.1 U2.4 U2.17 | length 657.1
  Top Layer w12: U2.4@3941.17,1671.07 4067.43,1671.07 4092,1646.5 4092,1501.5 4127.16,1466.34 U2.17@4212.83,1466.34 4287.16,1466.34 4352,1401.5 C10.1@4401.69,1401.5
Vref_2.5V: U25.21
pads on no net: U2.2 U2.3 U2.6 U2.8 U2.9 U2.10 U2.11 U2.12 U2.13 U2.14 U2.24 U2.27 U2.28 U18.9 U18.11 U18.16 U18.24 U18.26 U18.32 U25.6 U25.7 U25.8 U25.9 U25.25 U25.26 U25.29 U25.34 U25.38 U25.39 U25.40 U25.41 U25.42 U25.63 U25.64 U25.65 U25.66 U25.67 U25.70 U25.73

## Polygon pours and split planes (outlines as drawn)
GND on Bottom Layer "Top Layer-No Net" (solid, remove dead copper, pour order 4): -28,3047 17,3047 381,3411 4858,3411 5354,2915 5354,510 4902,58 321,58 -34,413 -31,416 -31,3043 -28,3046
GND on Top Layer "Top Layer-No Net" (solid, remove dead copper, pour order 2): -26,3042 13,3042 382,3411 4857,3411 5353,2915 5353,508 4903,58 333,58 -30,421 -30,3038

## Other copper
Top Layer:
  rectangle net GND: 4631,2700 4684,2761
  rectangle net NetC7_1: 5072,101 5329,317
  rectangle net +3.3V: 3880,2410 3902,2434
  rectangle net DCin: -36,1448 125,1761
  rectangle net +24V: 1652,2327 1781,2372
  rectangle net +24V: -65,1873 149,1935
  rectangle net +3.3V: 311,2244 341,2479
  rectangle net +5V: -19,2339 175,2391
  rectangle net NetC8_2: 4380,1635.5 4414,1841.5
  region net NetC7_1: 5119,373 5089,343 5059,343 5059,328 5049,318 5054,313 5054,223 5064,223 5079,208 5099,208 5229,313 5229,958 5189,998 5134,998 5119,983
  region net +24V: 267,2001 246,2001 244,1999 244,1952 226,1934 -35,1934 -39,1938 -39,2043 -29,2053 15,2053 21,2059 21,2083 15,2089 -41,2089 -59,2071 -59,1901 -20,1862 251,1862 267,1878
  region net NetR1_1: 208,2025 230,2003 230,1970 223,1963 -7,1963 -19,1975 -19,2022 -15,2026 -14,2025
  region net GND: 160,1811 413,1811 468,1866 524,1866 539,1851 539,1726 503,1690 214,1690 161,1743 161,1810
  region net +5V: 616,1919 611,1919 566,1874 566,1729 601,1694 676,1694 696,1714 696,2089 681,2104 616,2104
  region net NetC3_2: 361,2004 381,2024 471,2024 486,2039 486,2089 496,2099 556,2099 566,2089 566,1949 556,1939 421,1939 406,1924 406,1889 391,1874 301,1874 286,1889 286,2004
  region net NetC2_2: 231,2079 231,2097 184,2144 121,2207 121,2304 111,2314 -14,2314 -19,2309 -19,2289 -4,2274 41,2274 51,2264 51,2134 61,2124 166,2124 206,2084 211,2079
  region net +3.3V: 671,2529 686,2514 686,2494 676,2484 516,2484 491,2459 491,2379 501,2369 511,2369 591,2369 601,2359 601,2324 586,2309 491,2309 446,2354 446,2414 416,2444 276,2444 261,2459 261,2524 266,2529
Bottom Layer:
  rectangle net +5V: 624,1728 664,1843
  rectangle net +5V: 353,2816 421,2960
  rectangle net +3.3V: 1031,1100 1173,1226
  rectangle net +3.3V: 345,1135 4626,1168
  rectangle net +24V: 1310,3051 2896,3084
  rectangle net +24V: 1742,2267 1856,2613
  rectangle net +24V: 202,1583 466,1929
  rectangle net +24V: -65,1860 247,1934
  rectangle net +24V: 3150,100 3218,418
  rectangle net +24V: 2055,96 2132,413
  rectangle net +24V: 980,118 1033,400
  rectangle net +24V: 277,366 4758,427
  region net +24V: 407,1691 698,1691 759,1752 759,2426 988,2655 1835,2655 1960,2780 1960,3325 1989,3354 1992,3351 2201,3351 2245,3307 2245,2729 1841,2325 1797,2325 1737,2395 1737,2505 1732,2505 1695,2542 1088,2542 861,2315 861,1619 835,1593 437,1593 403,1627 403,1689

## Silkscreen, mask and mechanical layers (free items; w line width, h text height)
Top Overlay:
  lines w10: 500,435 625,435 ; 595,465 625,435 ; 600,410 625,435 ; 1395,2760 1520,2760 ; 1490,2790 1520,2760 ; 1495,2735 1520,2760 ; 1570,435 1695,435 ; 1665,465 1695,435 ; 1670,410 1695,435 ; 2645,2765 2770,2765 ; 2650,445 2775,445 ; 2740,2795 2770,2765 ; 2745,475 2775,445 ; 2745,2740 2770,2765 ; 2750,420 2775,445 ; -68,1693 -68,2575 -38,2605 686,2605 715,2576 715,2539 715,1693 692,1670 -45,1670 -68,1693 ; 795,1532 795,1774 814,1793 944,1793 959,1808 1189,1808 1204,1793 1334,1793 1364,1763 1364,1538 1339,1513 814,1513 795,1532
  text "RGB-LED" at 225,3400 h45 r270
  text "+5V" at -60,3075 h30
  text "PD11" at 4205,3010 h30 r270
  text "PD13" at 4270,3010 h30 r270
  text "PB14" at 4485,3010 h30 r270
  text "PE15" at 3995,3005 h30 r270
  text "PE14" at 4060,3005 h30 r270
  text "PD10" at 4400,3005 h30 r270
  text "5" at 3795,3000 h30 r270
  text "3.3" at 3885,3000 h30 r270
  text "GND" at 3270,2920 h45
  text "GND" at 3035,2910 h65
  text "PUL1+" at 4840,2905 h45
  text "GND" at 3795,2895 h30 r270
  text "PB12" at 3880,2895 h30 r270
  text "PD8" at 4060,2870 h30 r270
  text "PD12" at 4200,2870 h30 r270
  text "PB15" at 4395,2865 h30 r270
  text "PB13" at 4485,2865 h30 r270
  text "PB1" at 3990,2860 h30 r270
  text "PD9" at 4270,2840 h30 r270
  text "PUL1-" at 4840,2825 h45
  text "+24V" at 2125,2740 h45
  text "+24V" at 1865,2735 h65
  text "OUT8" at 2805,2720 h70
  text "OUT4" at 1555,2715 h70
  text "OUT5" at 2345,2715 h70
  text "OUT1" at 1095,2710 h70
  text "GND" at -35,2630 h45
  text "DIR1+" at 4835,2605 h45
  text "INC-MBTMC429-01" at 1665,2565 h70
  text "DIR1-" at 4835,2525 h45
  text "Power" at -26,2518 h45
  text "+3.3V" at 732,2493 h50
  text "20180503" at 1595,2445 h30
  text "PUL2+" at 4840,2210 h45
  text "PUL2-" at 4840,2130 h45
  text "GND" at 2430,2085 h30 r90
  text "+3.3V" at 2130,2025 h30 r90
  text "SWDIO" at 2335,2025 h30 r90
  text "SWCLK" at 2235,2020 h30 r90
  text "DIR2+" at 4830,1895 h45
  text "DIR2-" at 4830,1815 h45
  text "+5V" at 725,1800 h45
  text "EEPROM" at 979,1763 h30
  text "BOOT" at 1735,1715 h45
  text "PUL3+" at 4820,1520 h45
  text "RESET" at 1700,1485 h45
  text "24V" at 285,1470 h100
  text "PUL3-" at 4820,1440 h45
  text "0V" at 285,1265 h100
  text "DIR3+" at 4825,1205 h45
  text "DIR3-" at 4825,1125 h45
  text "GND" at 1165,380 h45
  text "GND" at 3280,380 h45
  text "GND" at 3430,380 h45
  text "L1" at 3750,380 h60
  text "L2" at 4140,380 h60
  text "R2" at 4345,380 h60
  text "IN4" at 630,375 h70
  text "IN12" at 2780,375 h70
  text "R1" at 3930,375 h60
  text "L3" at 4575,375 h60
  text "R3" at 4765,375 h60
  text "IN1" at 335,370 h70
  text "+24V" at 865,370 h65
  text "GND" at 2235,370 h45
  text "IN9" at 2470,370 h70
  text "+24V" at 3015,370 h65
  text "IN8" at 1700,365 h70
  text "IN5" at 1405,360 h70
  text "+24V" at 1935,360 h65
Mechanical 1:
  circle w3.94: c5281,3313 r68.9
  circle w3.94: c5,122 r68.9
  circle w3.94: c5,3314 r68.9
  lines w10: 5276,0 ccw(c5279.5,123.5) 5403,120 5403,3344 ccw(c5295,3342) 5293,3450 -2,3450 ccw(c0.5,3332.5) -117,3330 -117,120 ccw(c3,120) 3,0 5283,0